# KiCad board Rogelio Pineda part 6-AMLDC-2044B.kicad_pcb (continued)
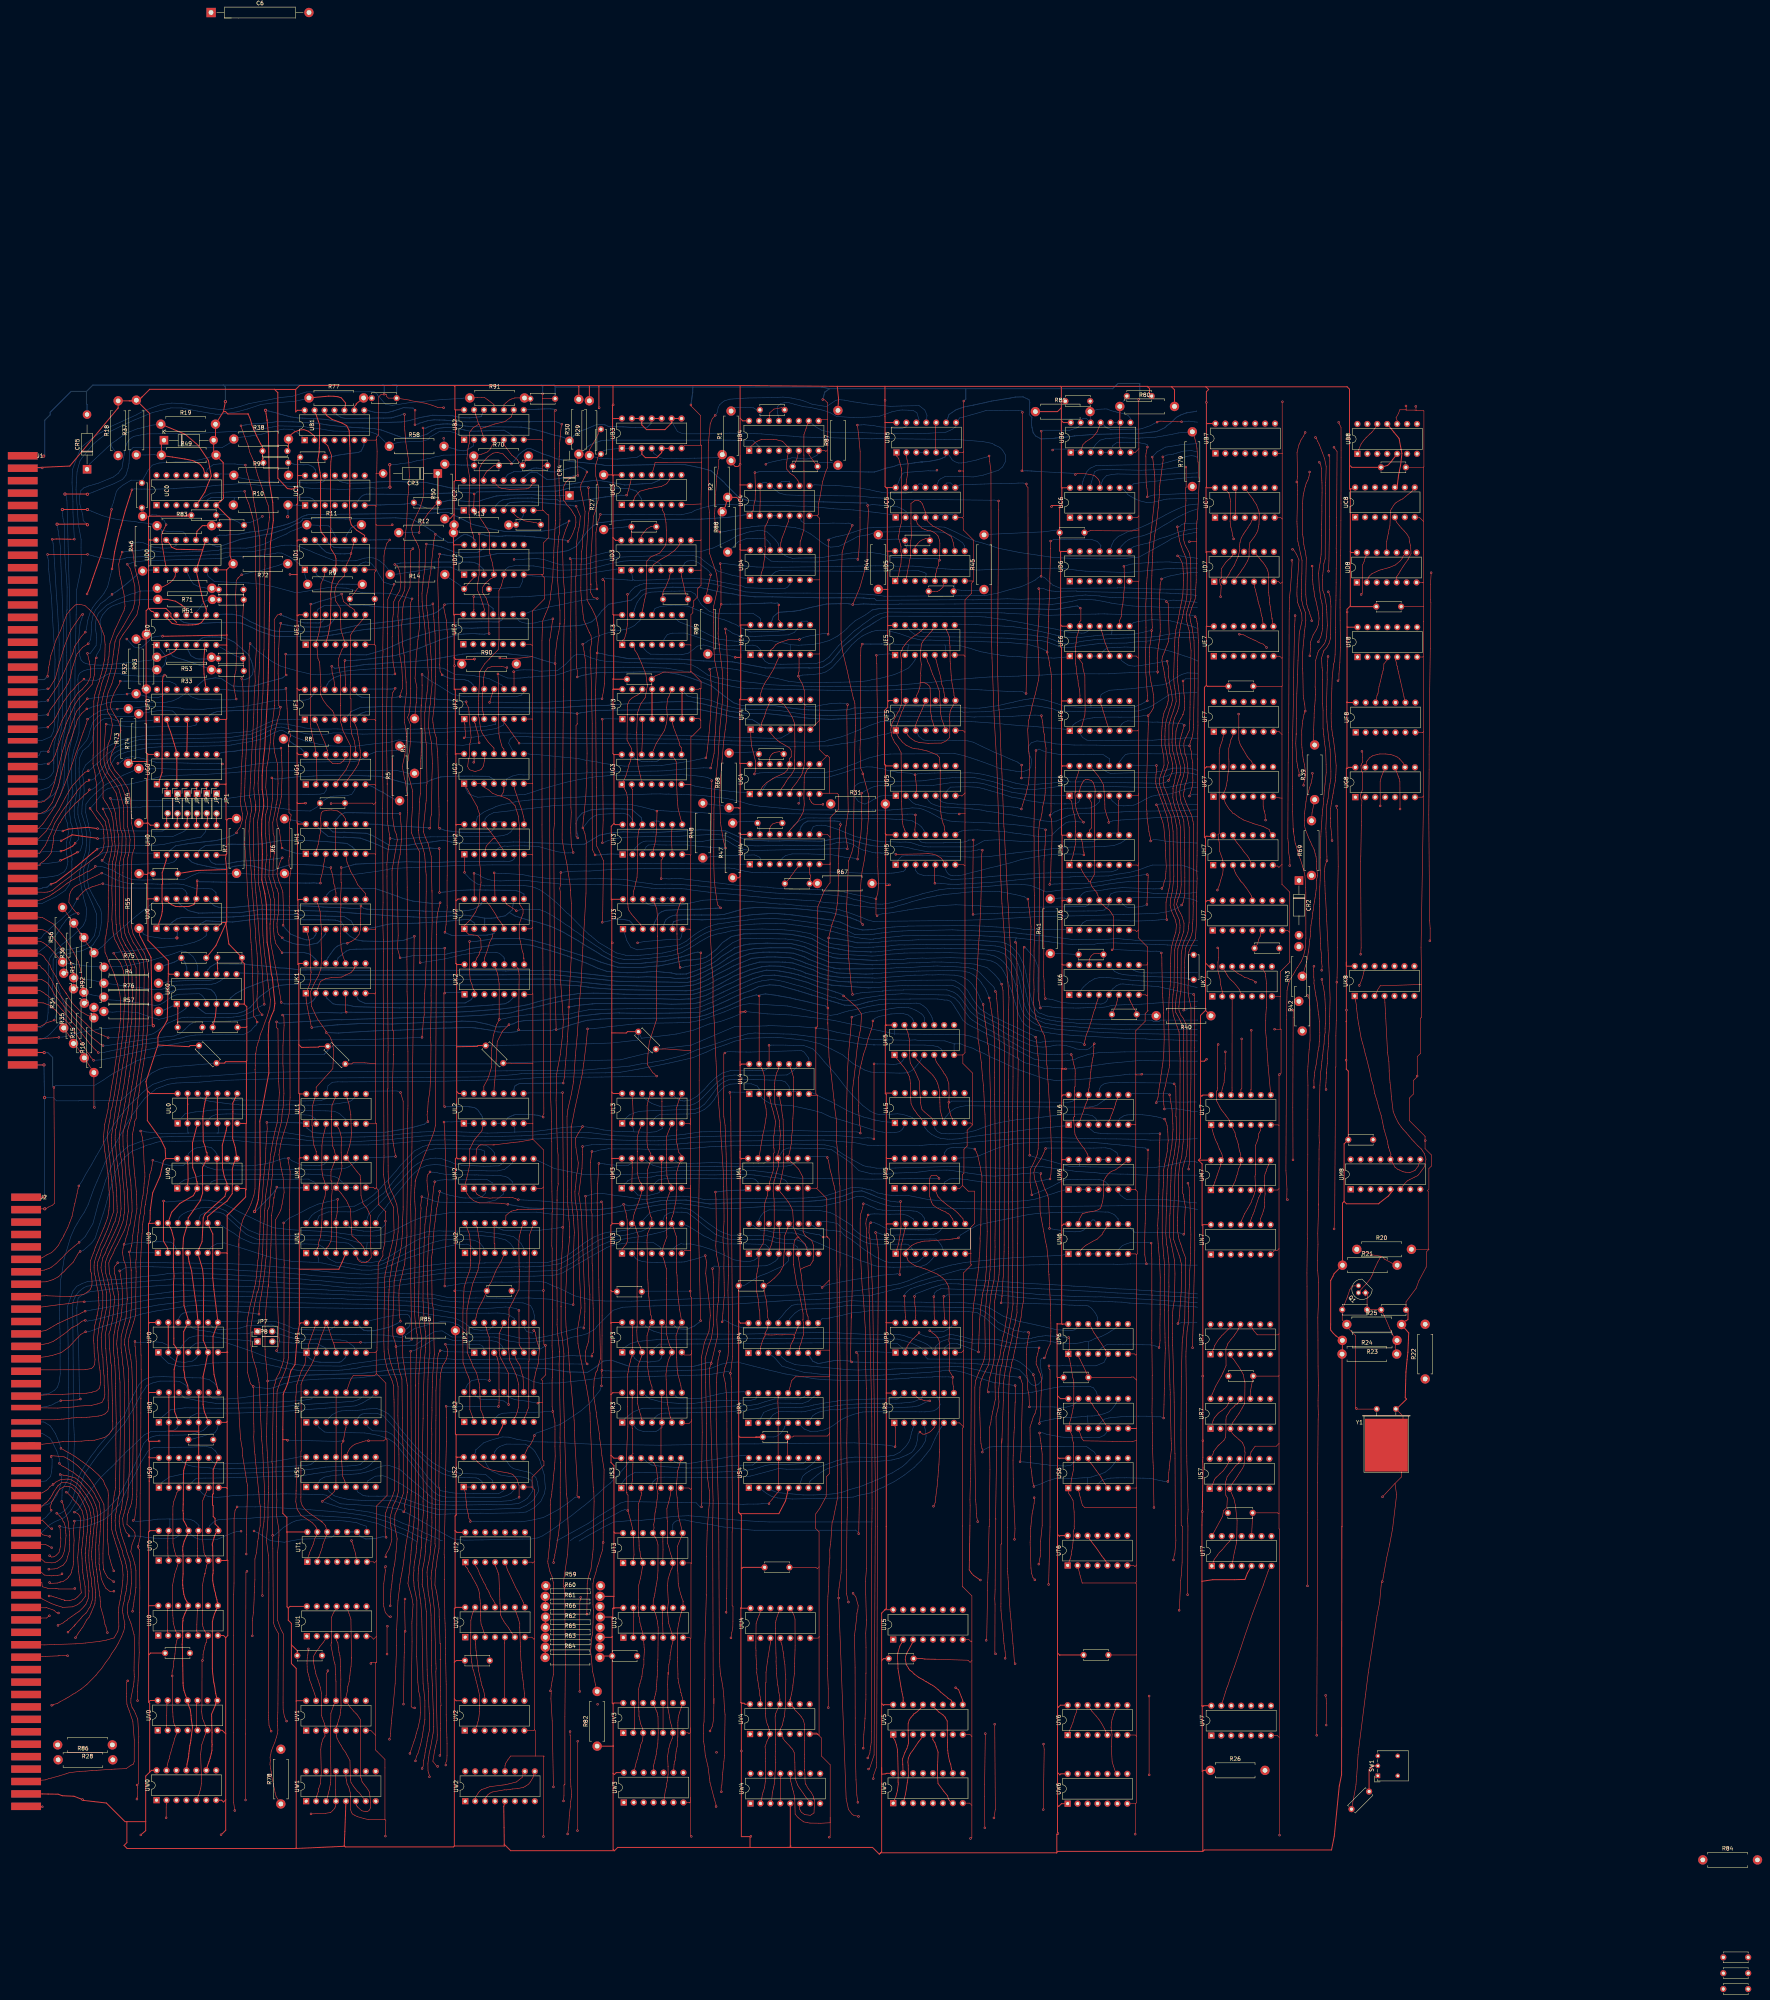
[diagram p0: board, top side]
## Routing (per net, layer and track width the routed paths; a pad name or vN(x,y) marks a point on that pad's centre or on a via; arc(x,y) is an arc through that point) (continued)
DISK2: length 55.2
  Top w0.15: R16.2 92.22,248.52 90.43,249.56 89.07,250.92 88.27,251.79 87.54,253.02 86.7,254.3 ; 83.84,259.05 83.06,260.3 82.71,261.33 81.91,262.41 81.58,262.81 81.11,263.56 80.23,264.13 J1.81 ; 83.89,258.95 84.37,258.12 85.14,256.62 85.92,255.37 86.95,253.95
  Bottom w0.15: UK0.2 117.43,250.17 116.44,249.52 115.34,248.87 113.74,248.25 111.87,247.74 110.54,247.45 108.55,247.95 107.21,248.43 105.25,249.11 103.73,249.26 102.07,249.37 99.78,249.37 98.72,249.27 R57.1 95.26,249.58 R92.1 93.93,250.47 R16.2
DISK NEW REQ: length 120.6
  Top w0.15: J1.59 75.78,299.27 80.35,300.06 81.82,300.77 83.35,302.88 84.24,305.26 85.11,307.94 85.86,311.25 86.16,312.43 87.42,317.23 88.34,319.62 88.97,321.63 89.3,322.41 89.69,323.98 90.86,325.62 v1(92.13,326.74) 92.13,326.8 ; 130.75,360.15 130.32,359.5 130.15,355.58 130.32,351.53 130.4,349.18 130.5,342.16 130.35,340.22 130.23,336.61 129.96,335.52 129.7,332.4 129.78,331.75 130.1,330.09 v1(130.3,329.24) ; 130.75,360.15 131.6,361 v1(131.71,361) ; 130.75,360.15 130.88,360.34
  Bottom w0.15: v1(92.13,326.74) 92.92,326.94 93.39,327.19 95.14,327.7 96.46,327.95 97.22,328.24 98.62,328.53 99.48,328.68 104.95,328.62 105.61,328.59 106.37,328.56 106.84,328.55 111.76,328.36 112.65,328.48 114.13,328.79 115.49,329.43 116.07,329.84 116.56,330.15 117.4,330.6 UF0.11 118.08,330.47 118.76,329.86 119.28,329.65 120.5,329.23 124.04,329.05 128.32,329.05 128.93,329.05 v1(130.3,329.24) ; v1(131.71,361) 132.82,361.31 134.07,361.58 136.15,361.95 139.81,363.03 140.96,363.33 141.5,363.53 142.03,363.76 R72.1
DISK PRES REQ: length 56.1
  Top w0.15: J1.57 79.94,302.91 80.52,302.93 81.28,303.17 82.74,304.59 83.21,305.95 83.87,307.81 84.35,309.85 85.9,315.91 86.35,317.27 86.8,318.82 87.14,319.92 87.56,320.77 88.03,322.16 88.35,323.17 89.54,326.18 90.15,326.88 90.43,327.21 91.14,328.06 91.4,328.31 92.26,329.29 v1(92.26,329.32) 92.29,329.32 92.3,329.33
  Bottom w0.15: v1(92.26,329.32) 94.93,329.65 97.85,330.03 98.65,330.18 99.92,330.35 101.04,330.41 102.07,330.52 v1(102.42,330.52) 102.49,330.59 R32.1 106.22,330.27 107.82,329.75 110.22,329.56 111.44,330.06 111.72,330.3 112.58,331.16 UF0.13
DISK WR DATA: length 257.4
  Top w0.15: 92.56,311.07 92.56,311.01 v1(92.5,310.94) 92.56,310.88 92.56,310.76 92.16,310.73 91.64,310.54 91.25,310.07 90.92,309.82 88.42,307.09 88.09,306.57 87.52,305.63 86.57,303.96 85.1,301.13 83.69,298.98 82.83,297.25 81.68,295.46 79.18,292.95 J1.63 ; 95.8,290.21 95.04,289.32 94.82,289.15 94.28,288.79 91.67,286.81 90.86,286.25 89.75,285.42 87.67,283.77 85.9,282.46 85.42,282.1 83.39,280.42 82.62,280.07 82.11,279.96 81.39,279.9 76,280 J1.71 ; 95.7,290.11 96.05,290.46 96.25,290.89 96.55,292.37 96.5,293.49 96.47,293.93 96.53,294.26 96.44,294.96 96.41,295.4 96.23,296.75 95.82,297.26 95.46,297.86 95.12,298.31 94.69,298.78 94.57,299 93.58,300.48 93.23,300.95 v1(92.95,301.33) 92.88,301.26
  Bottom w0.15: v1(92.5,310.94) 93.15,311.31 93.94,312.17 94.74,312.75 96.09,314 97.3,315.18 98.34,315.94 98.34,315.98 99.39,316.79 101.24,317.71 102.94,318.13 104.01,318.48 105.87,318.94 108.1,318.93 117.29,319.21 119.47,319.2 128.42,319.38 130.44,319.71 132.66,320.06 133.33,320.09 134.08,320.28 137.19,321.51 138.41,322.07 139.3,322.43 140.13,322.75 140.83,322.93 143.16,322.85 144.29,322.61 145.07,322.47 145.76,322.29 147.29,322.06 147.79,321.87 150.35,321.57 151.66,321.57 156.13,321.61 161.75,321.39 169.74,321.54 171.08,321.55 173.16,321.62 174.26,321.56 175.85,321.56 181.59,321.66 183.78,321.79 186.19,321.97 187.01,321.98 193.8,322.18 195.07,322.5 196.58,322.79 UF2.4 ; R3.1 174.34,310.29 171.32,310.99 139.38,310.91 134.14,310.88 132.33,310.68 131.02,310.61 128.68,310.39 122.46,310.02 113.99,309.71 111.35,309.55 109.52,309.08 103.63,307.62 100.61,307.2 97.45,306.32 96.49,305.73 95.81,304.77 94.67,303.4 94.47,302.98 93,301.33 v1(92.95,301.33)
DSK SEL: length 141.3
  Top w0.15: UF2.2 191.12,323.3 191.32,323.09 191.32,322.97 191.61,321.86 192.08,320.34 192.16,319.44 192.35,318.1 v1(192.37,318.08) 192.35,318.05 192.35,317.92 ; J1.67 75.89,286.73 80.18,286.73 80.18,287.23 81.19,287.9 ; 92.76,306.2 v1(92.79,306.08) 92.47,305.56 91.89,305.02 91.7,304.95 91.51,304.8 91.12,304.32 89.64,302.96 89.07,302.49 88.23,301.49 86.64,299.81 85.78,298.53 85.37,297.81 84.95,297.28 83.66,294.3 83.65,293.56 83.53,292.71 83.46,292.12 ; 81.15,287.85 82.36,289.07 82.87,289.77 83.05,290.1 83.3,291.29 83.47,292.21
  Bottom w0.15: v1(192.37,318.08) 188.25,317.44 181.93,317.69 177.71,318.23 175.14,318.33 173.64,318.61 171.84,318.81 169.22,318.14 166.43,317.93 160.08,317.13 154.42,317.27 151.49,317.7 148.05,318.5 145.36,319.51 144.85,319.78 143.48,320.48 142.11,321.25 141.35,321.19 139.82,320.56 137.03,319.09 135.07,318.6 133.27,318.25 131.32,317.96 129.2,317.54 128.15,317.36 121.97,317.22 116.26,317.15 111.05,317.04 108.63,316.9 107.83,316.8 102.56,315.83 101.8,315.55 100.42,315.1 99.42,314.37 98.35,312.72 97.28,310.65 96.55,309.21 95.41,307.87 94.69,307.17 94.37,306.78 93.33,306.08 v1(92.79,306.08)
DSK ~{RST}: length 65.1
  Top w0.15: 91,257.3 90.69,259.35 90.38,260.72 89.94,262.26 88.7,264.65 88.3,265.39 87.6,266.46 86.84,267.79 86.66,268.04 85.78,269.21 84.62,270.56 83.61,271.78 80.79,273.44 80.28,273.51 J1.75 ; 90.97,257.5 91.05,256.68 91.11,256.25 R17.1
  Bottom w0.15: R15.2 91.06,253 R17.1 93.26,253.73 94.42,253.51 R76.1 97.13,252.47 99.73,252.31 100.4,252.25 102.32,252.04 104.59,251.75 106.01,251.48 108.28,251.22 109.54,251 110.67,251.15 111.98,251.88 112.73,252.49 113.75,253.13 114.47,253.54 115.07,253.71 115.69,253.86 120.84,253.99 121.52,253.59 122.33,252.59 122.51,252.25 UK0.4
E0p2: length 15.8
  Bottom w0.2: C61.1 124.31,336.43 R33.1 121.72,337.62 119.63,338.34 117.35,339.13 114.98,339.83 114.11,340.23 113.41,340.99 113.12,342.04 112.48,343.05
E0p4: length 10.6
  Bottom w0.2: 117.56,343.05 117.87,341.92 118.28,341.19 118.68,340.34 120.07,339.56 120.84,339.47 122.64,339.48 R53.1 124.31,339.6 125.88,339.6
E0p5: length 103.1
  Top w0.15: v1(131.71,334.52) 131.95,332.86 132.04,331.54 132.08,327.35 132.16,321.43 131.89,316.04 131.85,315.38 131.81,314.67 131.62,311.32 131.6,311.18 131.56,307.63 131.51,305.09 131.41,303.08 131.48,302.11 131.84,300.09 131.95,298.59 131.3,296.53 130.62,295.67 v1(130.37,295.07)
  Top w0.25: UH0.2 112.37,287.95 111.38,284.86 111.5,282.06 111.35,281.92 111.35,277.45 111.51,276.42 111.39,274.97 111.22,274.01 110.35,271.44 109.94,271.23 UJ0.1
  Bottom w0.2: UH0.2 113.41,290.63 114.82,291.77 118.06,292.33 122.05,292.76 124.09,292.98 125.19,293.12 127.18,293.61 127.65,293.77 128.77,294.18 129.71,294.6 v1(130.37,295.07) ; v1(131.71,334.52) 132.23,334.16 133.12,334.42 133.83,334.85 134.45,335.5 134.64,336.8 134.54,337.75 134.23,338.86 133.47,340.58 129.89,343.72 128.33,344.52 126.21,345.07 124.88,345.1 124.2,345.1 123.38,345.12 122.21,345.04 121.57,344.83 120.56,344.1 UE0.5
E0p6: length 11.6
  Top w0.25: UF0.9 122.47,332.61 122.08,335.64 122,337.4 121.99,338.83 122.29,342.7 122.64,343.05
E0p8: length 181.5
  Top w0.15: v1(183.52,353.34) 183.3,352.72 183.67,350.83 183.99,349.37 184.17,346.67 184.25,346.33 184.29,345.28 184.28,338.16 184.29,336.51 184.34,333.76 184.28,332.77 184.25,332.74 184.25,322.89 184.2,322.54 184.22,320.98 184.28,318.85 184.19,315.16 184.26,313.34 184.26,303.27 184.22,303.23 184.32,303.12 184.22,290.1 184.22,287.95 184.2,284.17 184.17,282.89 184.17,276.58 184.2,276.1 184.07,273.96 183.95,272.65 183.92,271.66 v1(183.62,269.67) ; UK2.12 193.71,263.05 194.45,265.07 195.02,267.04 195.83,268.63 195.87,269.27
  Bottom w0.2: 193.53,353.51 190.3,353.6 188.21,353.61 185.85,353.62 184.31,353.57 v1(183.52,353.34) 183.09,352.66 182.87,352.48 182.34,352.06 182.19,351.91 181.42,351.4 180.85,351.11 178.71,350.48 175.28,349.9 173.92,349.67 173.9,349.69 172.14,349.4 170.62,349.17 167,348.77 161.2,348.07 158.84,347.55 157.19,347.12 153.68,346.45 152.44,346.41 142.74,346.48 142.01,346.5 140.39,346.6 138.84,346.95 137.71,347.36 136.55,347.79 135.14,348.48 133.86,349.04 132.49,349.91 131.35,350.51 129.26,350.92 128.05,350.92 127.47,350.93 126.25,350.89 UE0.8 ; UE2.11 195.94,352.39 194.45,353.5 193,353.51 ; v1(183.62,269.67) 184.13,269.38 185.38,268.89 190.41,268.9 194.41,268.96 195.66,269.23 196.2,269.45 UJ2.4
E0p10: length 8
  Bottom w0.15: UE0.10 120.1,351.53 120.89,352.37 121.54,353.38 122.54,354.36 R51.1 124.33,354.6 C59.1
E0p12: length 86.6
  Bottom w0.2: UE2.10 198.32,349.53 197.31,348.93 193.06,348.97 184.27,348.8 181.05,348.82 176.38,348.71 172.82,348.24 169.34,347.65 167,347.39 164.55,347.15 163.17,347.01 161.87,346.82 160.46,346.58 158.22,346.14 157.05,345.98 154.87,345.62 151.98,345.24 150.72,345.19 150.11,345.17 146.02,345.25 142.44,345.24 139.84,345.33 137.11,346.29 136.33,346.52 134.08,347.62 131.51,348.66 130.16,348.75 127.01,348.75 125.26,348.77 122.11,348.62 120.38,348.49 118.21,348.59 117.17,348.76 116.8,348.88 115.69,349.62 115.44,349.92 UE0.12
E1p8: length 37.5
  Top w0.15: UG1.9 160.79,316.81 160.74,316.85 160.45,318.61 159.84,320.22 159.55,322.22 159.46,322.31 159.46,324.53 159.53,324.6 159.53,326.03 159.62,326.12 159.62,329.31 159.42,329.51 159.42,332.87 159.53,333.47 159.53,340.7 159.46,340.77 159.49,340.79 159.49,343.26 159.46,344.64 159.53,345.59 160.06,346.51 160.76,347.44 162.92,349.9 162.92,350.41 UE1.8
E1p9: length 61.9
  Top w0.15: UE1.9 160.59,350.92 160.59,351.95 159.57,352.71 159.28,352.78 158.39,353.63 157.73,354.12 v1(157.24,356.06) 157.2,356.03 ; 149.24,353.66 149.3,353.61 v1(149.35,353.5) 149.27,330.44 149.47,329.91 149.3,329.74 149.24,322.79 149.47,321.33 149.9,319.23 150.41,317.24 UG1.13 150.82,313.97 150.92,308.3 150.63,308.01 UG1.2
  Bottom w0.2: v1(157.24,356.06) 155.36,355.28 153.45,354.69 151.82,354.23 150.46,353.77 149.77,353.5 v1(149.35,353.5)
E1p12: length 138.9
  Top w0.15: UK1.2 151.82,257.12 153.14,257.84 154.58,258.09 157.23,258.24 158.27,258.77 159.64,259.38 160.5,260.42 UK1.9 ; v1(141.67,350.9) 140.83,350.72 140.01,349.51 140.05,344.83 140.14,343.72 140.14,327.59 140.09,327.54 139.61,323.62 139.09,321.07 138.99,318.18 138.78,316.31 138.48,313.87 138.1,311.82 137.84,306.72 138.27,303.61 138.27,301.29 137.84,299.8 137.74,294.94 137.87,293.99 138.14,289.29 137.78,286.6 137.66,283.64 138.04,282.13 138.4,280.54 139.03,278.01 139.15,274.86 138.94,271.68 ; v1(141.8,251.75) 141.04,256.44 140.57,259.48 139.71,263.86 139.21,266.39 139.03,268.04 138.93,270.75 138.95,271.94
  Bottom w0.2: v1(141.67,350.9) 142.15,350.59 142.45,350.42 142.99,350.25 144.54,349.59 147.63,348.7 148.57,348.68 150.67,348.68 151.47,348.67 152.36,349.03 UE1.12 ; v1(141.8,251.75) 142.63,251.4 143.63,251.38 144.45,251.41 145.55,251.43 148.78,251.51 149.85,252.12 150.34,252.71 150.61,253.17 UK1.2
E1p13: length 107.6
  Top w0.15: v1(180.55,353.58) 180.75,350.41 180.81,349.53 181,346.88 181.1,345.93 181.24,334.97 181.16,333.36 181.05,329.7 180.93,327.88 180.49,324.15 180.57,323.19 180.98,320.71 181.4,319.44 181.73,315.82 181.82,314.31 182.1,301.83 182.14,299.67 182.02,296.46 v1(182.27,296.21)
  Bottom w0.2: v1(182.27,296.21) 183.77,295.65 187.76,295.21 193.2,295.13 195.09,295.22 195.83,295.76 196.04,296.02 196.29,296.24 UH2.11 196.85,297.87 198.09,297.87 UH2.10 ; v1(180.55,353.58) 179.92,353.21 178.81,353.1 177.31,352.93 169.67,352.63 165.69,352.86 164.21,353.09 162.88,353.24 155.48,353.19 152.84,353.13 152.05,352.68 151.16,352.18 UE1.13
E2p8: length 66.8
  Top w0.15: v1(222.54,354.91) 221.5,355.26 220.85,356.47 220.94,358.65 220.88,358.49 220.88,364.77 221.04,367.22 221.56,375.86 222.06,377.23 222.5,379.25 222.74,379.96 222.96,382.45 222.81,383.38 222.53,384.72 222.17,386.19 222.06,388.76 222.59,390.45 222.59,390.91 C14.1
  Bottom w0.15: UE2.8 204.95,351.36 206.14,351.88 206.72,351.88 209.44,352.56 210.53,352.84 213.23,353.34 215.68,353.88 218.38,354.4 219.27,354.49 220.25,354.63 220.43,354.69 220.79,354.73 221.24,354.73 221.71,354.76 v1(222.54,354.91) ; C14.1 223.48,392.16 224.17,392.64 224.4,392.78 226.25,393.06 226.94,393.13 UB3.1 UB3.2
E2p9: length 326.9
  Top w0.15: 211.41,51.13 211.41,51.36 v1(211.35,51.42) 211.03,68.27 210.7,73.91 210.76,75.23 210.76,75.76 v1(210.57,75.96) 210.61,75.91 210.83,77.34 210.97,78.21 211.35,80.2 211.38,82.21 211.4,82.91 211.4,101.61 211.35,103.5 210.97,105.14 210.47,106.33 209.95,108.51 209.9,108.97 209.99,109.74 210.33,113.16 210.46,114.73 210.62,119.97 210.53,123.28 210.57,123.58 210.59,124.6 210.91,126.03 210.95,126.87 211.18,128.59 211.39,130.97 211.6,132.86 211.71,134.26 211.8,135.92 211.74,138.44 211.75,142.71 211.72,144.53 v1(211.17,147.29) 211.01,148.56 211.01,155.28 211.06,156 211.06,162.61 210.99,164.08 211.08,171.68 211.05,173.42 211.07,179.58 210.99,183.84 211.02,188.97 210.93,189.57 211.01,198.14 211.06,198.39 210.96,203.56 210.93,206.12 210.93,216.19 210.88,216.24 210.88,221.42 210.57,229.09 210.49,257.55 210.48,258.67 210.32,344.09 210.54,345.08 211.07,348.97 v1(211.21,349.76)
  Bottom w0.15: v1(211.21,349.76) 210.63,349.53 210.08,349.46 209.19,349.24 207.78,348.99 206.65,348.69 205.48,348.6 204.68,348.55 203.39,348.8 202.7,349.09 202.33,349.46 202.17,349.72 UE2.9 ; UR2.4 196.17,145.3 197.25,146.4 198.27,146.83 200.71,146.98 206.36,147.07 208.63,147.16 209.17,147.29 v1(211.17,147.29)
E2p13: length 132.1
  Top w0.15: UE2.13 190.86,351.83 191.06,352.02 191.02,352.07 v1(190.98,355.43) 191.02,355.48 ; v1(222.46,357.34) 222.46,358.39 222.26,359.24 222.19,371.75 222.34,372.47 222.69,374.56 222.97,375.25 v1(223.34,376.41)
  Bottom w0.15: v1(223.34,376.41) 230.25,376.41 230.31,376.41 230.52,376.38 244.06,376.31 246.66,376.93 247.46,377.42 249.51,378.1 252.09,378.77 254.92,378.96 260.43,378.75 271.03,378.64 275.06,378.48 275.85,378.53 276.94,378.43 277.54,378.39 282.97,377.84 288.01,377.54 293.64,376.91 295.87,376.61 ; 295.87,376.61 296.12,376.58 ; 295.87,376.61 297.85,376.35 UC5.1 ; v1(190.98,355.43) 191.11,355.3 200.58,355.3 200.86,355.33 205.25,355.46 208.47,355.73 209.44,355.83 210.04,355.85 214.51,356.34 218.39,356.89 219.93,357.1 220.54,357.22 v1(222.46,357.34)
E3p1: length 231.8
  Top w0.15: 230.38,355.96 v1(230.27,355.99) 230.3,348.45 229.99,346.82 229.92,346.1 229.48,344.59 228.91,344.21 UE3.1 ; v1(335.94,360.59) 335.98,360.63 v1(335.98,397.66)
  Bottom w0.15: R81.2 350.38,403.23 352.2,403.33 352.77,403.32 353.85,402.89 354.39,402.76 354.93,402.64 355.35,402.5 355.74,402.41 356.33,402.3 356.67,402.2 357.58,401.94 358.25,401.59 358.77,400.95 UB6.8 ; R81.2 348.61,402.49 UB6.12 347.51,400.95 346.67,400.95 346.07,400.35 UB6.13 346.07,399.33 345.4,398.66 344.96,398.45 343.27,397.91 336.22,397.9 v1(335.98,397.66) ; R81.2 348.45,405.27 348.51,405.33 ; 233.39,358.39 232.63,358.02 232.17,357.87 231.17,356.9 230.55,355.99 v1(230.27,355.99) ; 295.87,355.5 294.28,355.75 292.44,355.95 291.81,355.99 291.7,356.01 284.67,356.28 276.14,356.3 275.15,356.3 270.75,356.31 268.69,356.25 266.26,356.26 260.42,356.62 257.88,357.26 255.59,357.72 253.71,358.29 253.19,358.4 252.28,358.63 250.88,358.75 250.31,358.86 244.05,358.86 241.86,358.86 235.93,358.72 234.42,358.7 233.24,358.34 ; 295.87,355.5 296.08,355.47 ; 295.87,355.5 315.58,355.6 316.68,355.62 319.43,355.67 321.38,355.63 324.77,356.29 328.2,357.28 330.85,357.95 333.12,358.96 334.43,359.64 335.24,360.31 335.72,360.59 v1(335.94,360.59) 336.85,360.24 338.98,358.33 340.87,357.54 355.4,357.61 355.44,357.65 358.61,357.59 360.31,357.52 365,357.34 375.12,357.26 375.37,357.26
E3p2: length 37.5
  Top w0.15: UG3.3 233.64,309.43 233.43,310.1 233,311.94 232.79,313.86 232.76,314.24 232.64,319.98 232.64,320.84 ; UE3.2 231.93,342.63 232.16,341.71 232.81,340.72 233.19,339.86 233.85,338.37 234.96,335.58 235.35,332.62 234.78,329.6 233.63,328 232.8,325.68 232.62,320.53
E3p3: length 30.5
  Bottom w0.15: UE3.3 234.53,342.05 235.2,341.34 236.11,340.72 244.18,340.6 245.75,340.95 247.34,342.11 248.09,342.76 249.67,343.06 251.14,342.74 252.49,342.25 256.32,341.81 257.52,341.82 260.1,341.67 260.91,341.66 261.54,341.49 UE4.1
E3p5: length 287.7
  Top w0.15: v1(375.31,350.3) 375.66,349.8 375.75,349.09 375.84,348.59 376.01,347.35 376,347.11 376.01,346.66 376.11,344.27 376.11,343.78 376.02,323.41 376.03,322.56 375.97,320.36 375.99,319.09 375.87,314.05 375.92,313.79 375.8,290.54 375.79,289.31 375.74,286.47 375.73,285.13 375.8,283.45 375.68,278.71 375.68,272.56 375.38,268.11 374.9,267.2 374.42,266.43 373.96,265.28 373.69,264.64 373.53,256.42 373.48,255.48 373.57,253.81 373.87,252.22 374.24,250.58 374.22,232.35 373.87,211.2 373.76,210.32 373.59,209.5 v1(373.64,209.2)
  Bottom w0.15: UE3.5 239.61,344.53 240.44,345.72 241.73,346.08 245,346.09 247.2,345.41 249.75,344.49 252.36,343.53 255.07,342.99 256.08,342.82 260.98,342.98 262.35,343.01 263.38,342.74 264.22,341.86 UE4.2 264.94,339.53 265.42,338.87 266.43,338.29 268.15,338.19 269.43,338.14 270.15,338.15 278.38,338.3 280.29,338.9 281.76,339.99 283.18,341.67 284.26,342.94 288.26,346.7 289.33,347.42 290.27,348.2 293.18,350.29 294.53,350.97 296.69,351.47 325.85,351.26 326.65,351.22 327.53,351.11 335.84,350.79 336.68,350.7 337.74,350.63 341.51,350.75 344.71,350.9 349.91,350.94 350.64,350.98 352.14,350.99 352.8,350.97 361.03,350.76 362.95,350.8 372.07,350.8 374.64,350.65 v1(375.31,350.3)
E3p9: length 136
  Top w0.15: UF6.13 345.87,330.18 345.78,331.57 345.43,333.22 345.38,334.02 345.24,334.88 345.08,335.63 344.89,337.59 344.75,338.36 344.75,342.22 344.83,343.2 344.88,343.4 344.92,344.05 345.09,345.23 345.4,346.23 UE6.13 345.82,349.01 346.11,349.3 346.11,352.37 346,352.48 v1(345.96,352.48) 345.96,352.52 345.92,352.55
  Bottom w0.15: UE4.5 271.84,341.76 271.86,341.77 271.86,343.13 ; UE3.9 243.25,349.14 243.87,348.77 244.32,348.66 248.18,347.13 250.94,345.76 253.45,344.56 257.54,344.06 258.1,344.01 266.56,344.25 270.83,343.44 271.86,343.13 ; 271.86,343.13 273.96,342.99 274.8,343.04 277.48,343.17 279.35,343.5 281.87,344.22 283.96,345.33 285.42,346.45 286.28,347.19 287.08,348.04 288.45,349.25 291.05,350.74 291.93,351.35 292.78,352
  Bottom w0.2: v1(345.96,352.48) 345.2,353.04 339.44,352.11 330.1,352.39 300.53,352.39 294.83,352.4 292.78,352
E3p11: length 38.6
  Bottom w0.15: UE4.10 271.38,347.43 270.73,346.94 270.21,346.78 268.71,346.61 266.05,346.53 261.72,346.39 259.3,347.42 257.96,348.28 256.92,348.67 256.39,348.91 ; UE3.11 237.3,352.41 238.66,352.89 241.38,353.17 242.61,353.16 245.71,352.99 252.32,350.19 254.95,349.5 256.5,348.89
E3p13: length 40.5
  Bottom w0.15: UE3.13 231.95,351.78 232.15,352.42 232.33,352.94 232.71,353.85 233.43,354.94 234.32,355.93 234.77,356.16 236.19,356.55 241.59,356.8 242.29,356.78 243.6,356.82 244.46,356.85 246.43,356.71 247.56,356.06 249.12,353.38 249.68,352.88 251.21,351.64 252.6,351.18 254.28,351.06 256.51,351.05 260.22,351.16 261.31,351.09 262.37,351.1 263.97,350.05 264.21,349.72 264.22,349.39 UE4.13
E4p3: length 138.8
  Top w0.15: v1(281.65,369.86) 281.65,345.91 v1(281.54,345.79) ; UE4.3 266.76,341.71 267.47,342.25 268.15,343.13 268.66,343.44 269.34,343.76 271.27,344.38 273.84,344.46 v1(274.2,344.45) 274.22,344.47
  Bottom w0.15: 375.75,371.73 374.95,371.72 373.68,371.47 371.53,371.05 369.28,370.22 368.22,369.52 366.05,368.3 360.94,365.5 356.34,365.08 350.94,365.03 345.08,365.11 342.12,365.26 340.39,365.35 338.75,365.45 330.44,366.67 324.98,367.77 321.19,369.04 319.19,369.56 317.03,370.4 313.91,371.99 311.31,373.15 310.05,373.22 305.45,373.37 303.58,373.32 303.09,373.29 302.22,373.37 293.08,373.01 291.61,372.96 290.1,372.56 287.96,371.87 286.69,371.4 285.29,371.04 284.24,370.84 283.5,370.67 281.65,370.11 v1(281.65,369.86) ; v1(281.54,345.79) 280.73,346.05 278.97,345.74 277.79,345.49 277,345.43 275.26,345.01 v1(274.2,344.45)
E4p4: length 12.7
  Top w0.15: UF4.13 264.27,330.49 264.35,330.84 264.8,332.19 265.49,333.56 266.2,334.57 267.65,336.98 268.48,338.93 UE4.4
E4p6: length 265
  Top w0.15: v1(363.07,284.43) 363.32,284.16 363.29,283.75 v1(362.98,276.78) ; UE4.6 274.1,340.27 274.1,336.32 273.99,335.95 273.95,335.86 273.95,335.11 v1(273.93,335.09) 273.95,335.07 274.23,334.36 275,332.97 275.43,331.51 275.51,329.8 275.58,327.03 275.43,326.78 275.45,323.73 275.58,321.44 275.51,316.96 275.45,316.44 275.45,313.57 275.4,312.25 275.32,311.81 275.09,311.01 275.04,310.58 274.79,309.95 273.51,307.94 272.37,306.55 UG4.5 ; v1(338.37,369.61) 338.37,367.64 338.39,367.62 338.16,360.05 338.21,358.79 337.77,348.97 337.79,346.53 v1(337.49,341.23) 337.84,339.77 338.06,338.64 338.12,337.91 338.33,336.99 338.46,336.13 338.57,334.93 338.6,331.62 338.57,330.6 338.57,316.45 338.54,316.41 338.57,316.38 338.48,301.94 338.48,300.39 v1(338.22,299.57) 338.64,298.44 338.75,295.03 338.62,289.68 338.5,288.54 338.41,285.2 338.42,283.95 338.3,282.97 v1(338.15,281.89)
  Bottom w0.15: UD6.11 351.24,368.44 350.33,369.48 348.96,369.96 341.85,370.05 340.77,370.06 339.17,370 338.45,369.61 v1(338.37,369.61) ; 358.36,275.98 361.07,276.18 361.96,276.37 v1(362.98,276.78) ; v1(337.49,341.23) 337.49,341.56 336.77,341.77 336.07,342.16 334.89,342.56 332.43,343.25 330.69,343.4 327.66,343.68 325.89,343.75 312.1,344.14 307.56,344.31 305.59,344.27 302.98,344.82 299.71,345.97 296.54,346.75 294.95,346.83 294.19,346.79 293.81,346.76 292.69,346.47 291.66,346.04 290.22,345.32 289.09,344.48 287.5,343.04 286.79,342.15 286.44,341.75 286.12,341.36 285.23,340.33 284.52,339.45 282.49,337.23 280.96,336.19 279.57,335.74 277.76,335.52 276.34,335.43 274.96,335.37 274.38,335.17 v1(273.93,335.09) ; 358.46,275.97 357.64,276.17 357.09,276.65 UJ6.9 ; v1(338.22,299.57) 338.7,299.84 339.31,300.39 340.07,300.66 340.61,300.94 342.63,301.38 343.37,301.38 347.43,301.38 348.5,301.42 349.93,302.14 350.83,303 UG6.4 ; v1(363.07,284.43) 362.61,284.43 361.56,284.28 360.05,284.08 358.87,283.84 355.32,283.33 353.63,283.03 349.53,282.42 347.37,282.15 342.17,282.12 341.21,282.03 340.7,282.06 339.99,282.01 339.45,282.02 v1(338.15,281.89)
E5p4: length 20.2
  Top w0.15: UF5.6 311.03,322.86 310.59,324.02 310.23,325.74 310.15,327.91 309.98,331.2 309.59,332.27 309.15,333.47 308.75,334.37 308.22,335.59 307.83,336.64 307.43,337.88 306.98,338.74 306.7,339.69 UE5.4